# KiCad board SparkFun_Qwiic_WAV_Trigger_Pro_panelized.kicad_pcb (continued)
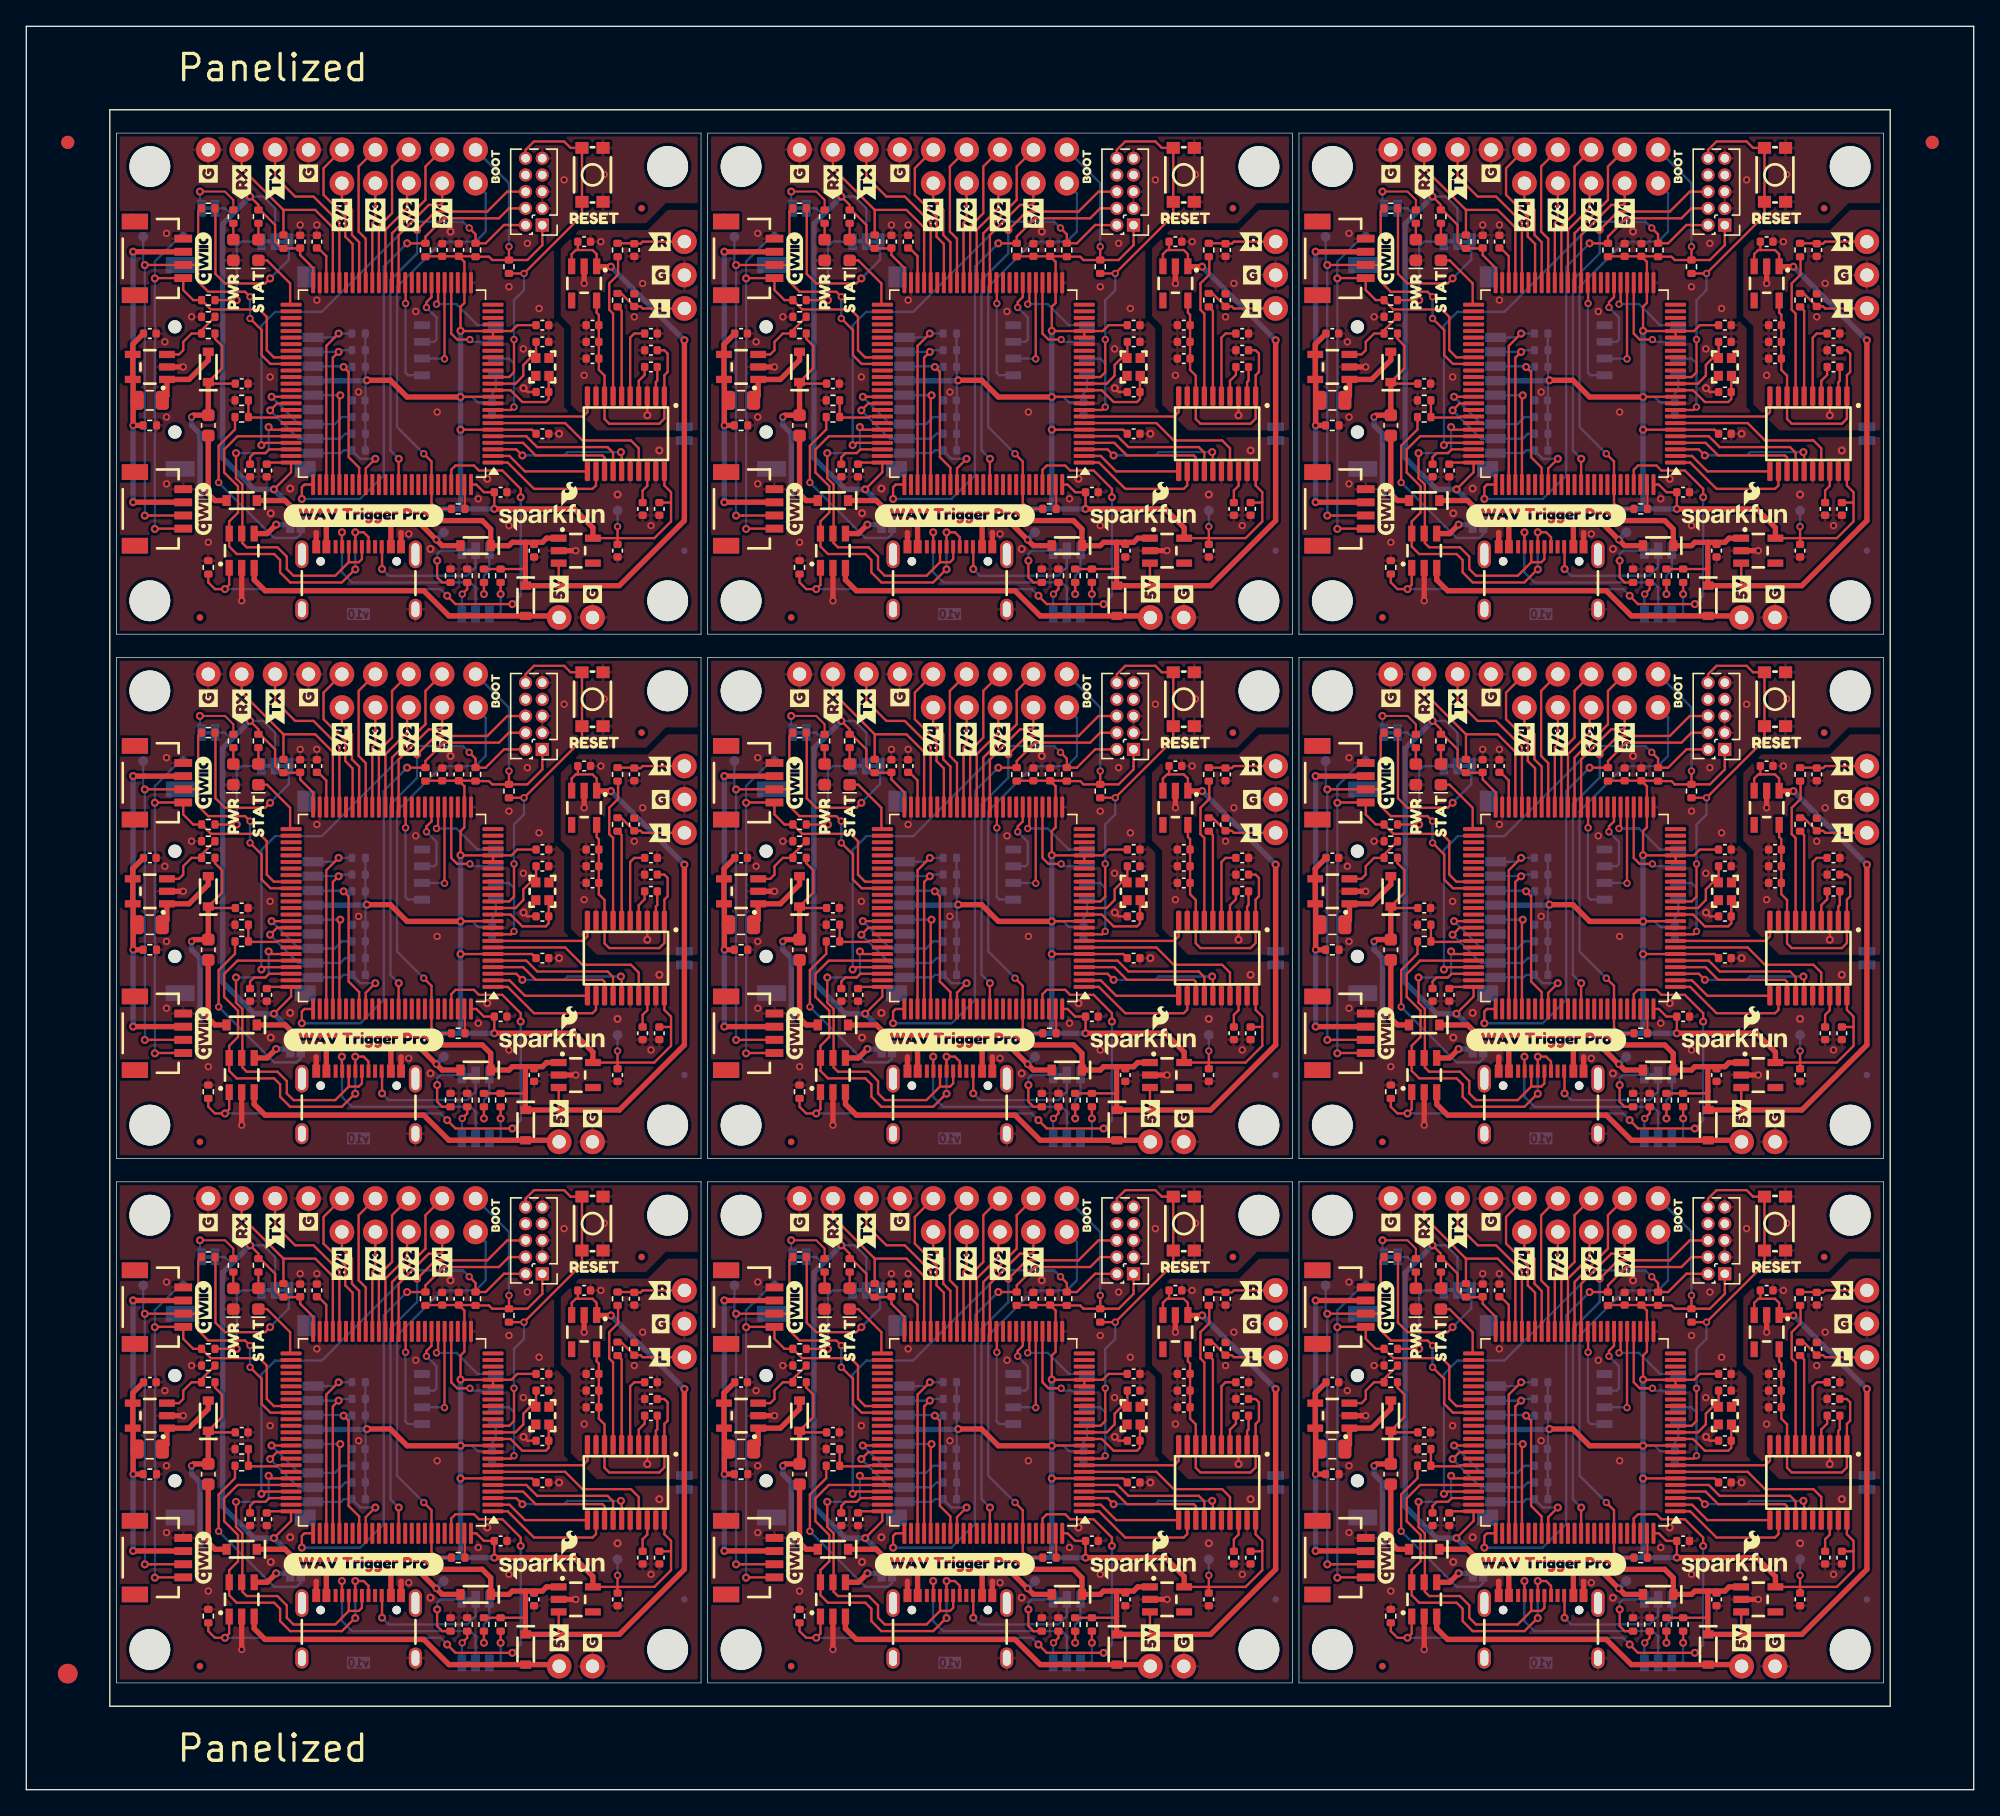
[diagram p0: board, top side]
## Routing (per net, layer and track width the routed paths; a pad name or vN(x,y) marks a point on that pad's centre or on a via; arc(x,y) is an arc through that point) (continued)
/CPU/MEM_CS: length 73.8
  Top w0.178: v2(28.83,113.01) 28.83,114.56 U3#4.36 ; U3#5.36 73.78,74.69 v2(73.78,73.14) ; v2(118.73,33.27) 118.73,34.82 118.7,34.84 ; 73.76,34.84 73.78,34.82 v2(73.78,33.27) ; U3.36 118.73,114.56 v2(118.73,113.01) ; v2(28.83,73.14) 28.83,74.69 U3#3.36 ; v2(28.83,33.27) 28.83,34.82 28.8,34.84 ; v2(118.73,73.14) 118.73,74.69 U3#7.36 ; v2(73.78,113.01) 73.78,114.56 U3#6.36
  Bottom w0.178: U7#4.1 29.02,107.54 28.82,107.75 28.82,112.99 v2(28.83,113.01) ; v2(118.73,113.01) 118.72,112.99 118.72,107.75 118.92,107.54 U7#6.1 ; U7#8.1 118.92,67.67 118.72,67.88 118.72,73.12 v2(118.73,73.14) ; U7#7.1 118.92,27.8 118.72,28.01 118.72,33.25 v2(118.73,33.27) ; U7.1 29.02,67.67 28.82,67.88 28.82,73.12 v2(28.83,73.14) ; U7#5.1 73.97,67.67 73.77,67.88 73.77,73.12 v2(73.78,73.14) ; v2(73.78,113.01) 73.77,112.99 73.77,107.75 73.97,107.54 U7#3.1 ; U7#9.1 29.02,27.8 28.82,28.01 28.82,33.25 v2(28.83,33.27) ; U7#2.1 73.97,27.8 73.77,28.01 73.77,33.25 v2(73.78,33.27)
/CPU/MEM_DI: length 61.6
  Top w0.178: U3#6.31 76.26,113.08 v2(76.13,112.96) ; U3.31 121.2,113.08 v2(121.08,112.96) ; U3#7.31 121.2,73.21 v2(121.08,73.09) ; v2(31.18,73.09) 31.3,73.21 U3#3.31 ; 31.3,34.84 31.3,33.34 v2(31.18,33.22) ; v2(76.13,73.09) 76.26,73.21 U3#5.31 ; v2(76.13,33.22) 76.26,33.34 76.26,34.84 ; 121.2,34.84 121.2,33.34 v2(121.08,33.22) ; v2(31.18,112.96) 31.3,113.08 U3#4.31
  Bottom w0.178: v2(31.18,73.09) 32.71,73.09 34.31,71.48 U7.5 ; 80.64,111.35 79.26,111.35 77.66,112.96 v2(76.13,112.96) ; v2(31.18,33.22) 32.71,33.22 34.31,31.61 U7#9.5 ; U7#2.5 79.26,31.61 77.66,33.22 v2(76.13,33.22) ; v2(31.18,112.96) 32.71,112.96 34.31,111.35 35.68,111.35 ; v2(121.08,73.09) 122.61,73.09 124.21,71.48 U7#8.5 ; v2(121.08,112.96) 122.61,112.96 124.21,111.35 125.58,111.35 ; U7#5.5 79.26,71.48 77.66,73.09 v2(76.13,73.09) ; v2(121.08,33.22) 122.61,33.22 124.21,31.61 U7#7.5
/CPU/MEM_DO: length 67.7
  Top w0.178: v2(76.74,68.92) 76.74,74.7 U3#5.30 ; U3#3.30 31.79,74.7 v2(31.79,68.92) ; v2(121.69,108.79) 121.69,114.57 U3.30 ; U3#4.30 31.79,114.57 v2(31.79,108.79) ; U3#6.30 76.74,114.57 v2(76.74,108.79) ; 76.76,34.84 76.74,34.83 v2(76.74,29.05) ; v2(31.79,29.05) 31.79,34.83 31.8,34.84 ; 121.7,34.84 121.69,34.83 v2(121.69,29.05) ; v2(121.69,68.92) 121.69,74.7 U3#7.30
  Bottom w0.178: v2(121.69,29.05) 121.67,29.07 U7#7.2 ; v2(121.69,108.79) 121.67,108.81 U7#6.2 ; U7#5.2 76.72,68.94 v2(76.74,68.92) ; v2(121.69,68.92) 121.67,68.94 U7#8.2 ; v2(31.79,68.92) 31.77,68.94 U7.2 ; v2(76.74,29.05) 76.72,29.07 U7#2.2 ; v2(76.74,108.79) 76.72,108.81 U7#3.2 ; U7#9.2 31.77,29.07 v2(31.79,29.05) ; U7#4.2 31.77,108.81 v2(31.79,108.79)
/CPU/MEM_HO: length 58.8
  Top w0.178: U3#7.9 126.75,65.04 v2(126.98,65.26) ; U3.9 126.75,104.91 v2(126.98,105.13) ; v2(37.08,25.39) 36.85,25.17 U3#9.9 ; U3#6.9 81.8,104.91 v2(82.03,105.13) ; v2(37.08,105.13) 36.85,104.91 U3#4.9 ; U3#5.9 81.8,65.04 v2(82.03,65.26) ; v2(126.98,25.39) 126.75,25.17 U3#8.9 ; U3#2.9 81.8,25.17 v2(82.03,25.39) ; v2(37.08,65.26) 36.85,65.04 U3#3.9
  Bottom w0.178: v2(82.03,65.26) 82.03,68.56 81.64,68.94 U7#5.7 ; v2(82.03,25.39) 82.03,28.69 81.64,29.07 U7#2.7 ; U7#6.7 126.6,108.81 126.98,108.43 v2(126.98,105.13) ; v2(37.08,25.39) 37.08,28.69 36.7,29.07 U7#9.7 ; U7#7.7 126.6,29.07 126.98,28.69 v2(126.98,25.39) ; U7#4.7 36.7,108.81 37.08,108.43 v2(37.08,105.13) ; v2(126.98,65.26) 126.98,68.56 126.6,68.94 U7#8.7 ; v2(37.08,65.26) 37.08,68.56 36.7,68.94 U7.7 ; v2(82.03,105.13) 82.03,108.43 81.64,108.81 U7#3.7
/CPU/MEM_WP: length 54
  Top w0.178: 75.78,34.82 75.76,34.84 75.76,33.75 75.37,33.37 v2(75.37,32.96) ; 30.83,114.56 U3#4.32 30.8,113.49 30.42,113.11 v2(30.42,112.7) ; 120.73,74.69 U3#7.32 120.7,73.62 120.32,73.24 v2(120.32,72.83) ; v2(30.42,32.96) 30.42,33.37 30.8,33.75 30.8,34.84 30.83,34.82 ; 75.78,74.69 U3#5.32 75.76,73.62 75.37,73.24 v2(75.37,72.83) ; 120.73,34.82 120.7,34.84 120.7,33.75 120.32,33.37 v2(120.32,32.96) ; 120.73,114.56 U3.32 120.7,113.49 120.32,113.11 v2(120.32,112.7) ; 75.78,114.56 U3#6.32 75.76,113.49 75.37,113.11 v2(75.37,112.7) ; v2(30.42,72.83) 30.42,73.24 30.8,73.62 U3#3.32 30.83,74.69
  Bottom w0.178: v2(120.32,72.83) 121.08,72.07 121.08,70.39 120.91,70.22 U7#8.3 ; U7#2.3 75.96,30.34 76.13,30.52 76.13,32.2 v2(75.37,32.96) ; v2(75.37,112.7) 76.13,111.94 76.13,110.26 75.96,110.08 U7#3.3 ; U7#5.3 75.96,70.22 76.13,70.39 76.13,72.07 v2(75.37,72.83) ; v2(120.32,112.7) 121.08,111.94 121.08,110.26 120.91,110.08 U7#6.3 ; v2(30.42,112.7) 31.18,111.94 31.18,110.26 31.01,110.08 U7#4.3 ; U7#9.3 31.01,30.34 31.18,30.52 31.18,32.2 v2(30.42,32.96) ; v2(120.32,32.96) 121.08,32.2 121.08,30.52 120.91,30.34 U7#7.3 ; U7.3 31.01,70.22 31.18,70.39 31.18,72.07 v2(30.42,72.83)
/CPU/RX: length 146.6
  Top w0.178: U3#6.47 68.26,118.78 66.91,120.12 64.5,120.12 ; 68.26,34.84 68.26,39.04 66.91,40.38 64.5,40.38 ; 19.55,40.38 16.38,43.55 J6#9.7 ; 19.55,40.38 R17#9.2 ; 19.55,40.38 21.96,40.38 23.3,39.04 23.3,34.84 ; 113.2,34.84 113.2,39.04 111.86,40.38 109.45,40.38 ; 109.45,80.25 111.86,80.25 113.2,78.91 U3#7.47 ; 109.45,80.25 106.27,83.42 J6#6.7 ; 109.45,80.25 R17#2.2 ; 64.5,120.12 R17#4.2 ; 64.5,120.12 61.33,123.29 J6#5.7 ; 109.45,40.38 106.27,43.55 J6#8.7 ; 109.45,40.38 R17#5.2 ; U3.47 113.2,118.78 111.86,120.12 109.45,120.12 ; J6#7.7 106.27,123.29 109.45,120.12 ; 19.55,80.25 16.38,83.42 J6.7 ; 19.55,80.25 R17#3.2 ; 19.55,80.25 21.96,80.25 23.3,78.91 U3#3.47 ; 64.5,40.38 61.33,43.55 J6#3.7 ; 64.5,40.38 R17#6.2 ; 109.45,120.12 R17#8.2 ; U3#5.47 68.26,78.91 66.91,80.25 64.5,80.25 ; J6#2.7 16.38,123.29 19.55,120.12 ; 19.55,120.12 R17.2 ; 19.55,120.12 21.96,120.12 23.3,118.78 U3#4.47 ; 64.5,80.25 61.33,83.42 J6#4.7 ; 64.5,80.25 R17#7.2
/CPU/SD_CD: length 66.1
  Top w0.178: v1(26.54,101.19) 25.8,100.47 U3#4.84 ; v1(71.48,101.19) 70.76,100.47 U3#6.84 ; U3#2.84 70.76,20.72 v1(71.48,21.45) ; v1(71.48,61.32) 70.76,60.59 U3#5.84 ; v1(26.54,21.45) 25.8,20.72 U3#9.84 ; v1(116.43,101.19) 115.7,100.47 U3.84 ; U3#3.84 25.8,60.59 v1(26.54,61.32) ; U3#7.84 115.7,60.59 v1(116.43,61.32) ; v1(116.43,21.45) 115.7,20.72 U3#8.84
  Bottom w0.178: J5#2.9 23.92,101.63 24.12,101.83 R16#5.2 25.39,101.19 v1(26.54,101.19) ; J5#6.9 68.87,101.63 69.07,101.83 R16#3.2 70.34,101.19 v1(71.48,101.19) ; J5.9 23.92,61.76 24.12,61.96 R16#4.2 25.39,61.32 v1(26.54,61.32) ; J5#5.9 113.82,21.89 114.02,22.09 R16.2 115.29,21.45 v1(116.43,21.45) ; v1(26.54,21.45) 25.39,21.45 R16#9.2 24.12,22.09 23.92,21.89 J5#9.9 ; J5#3.9 68.87,21.89 69.07,22.09 R16#2.2 70.34,21.45 v1(71.48,21.45) ; v1(116.43,61.32) 115.29,61.32 R16#7.2 114.02,61.96 113.82,61.76 J5#7.9 ; v1(116.43,101.19) 115.29,101.19 R16#8.2 114.02,101.83 113.82,101.63 J5#4.9 ; v1(71.48,61.32) 70.34,61.32 R16#6.2 69.07,61.96 68.87,61.76 J5#8.9
/CPU/SD_CLK: length 80
  Top w0.178: v1(113.77,66.15) 113.7,66.09 U3#7.80 ; v1(68.82,66.15) 68.76,66.09 U3#5.80 ; U3.80 113.7,105.96 v1(113.77,106.02) ; v1(68.82,26.28) 68.76,26.22 U3#2.80 ; v1(68.82,106.02) 68.76,105.96 U3#6.80 ; U3#4.80 23.8,105.96 v1(23.87,106.02) ; v1(113.77,26.28) 113.7,26.22 U3#8.80 ; v1(23.87,26.28) 23.8,26.22 U3#9.80 ; v1(23.87,66.15) 23.8,66.09 U3#3.80
  Bottom w0.178: v1(68.82,66.15) 68.81,66.16 J5#8.5 ; v1(113.77,26.28) 113.76,26.29 J5#5.5 ; v1(23.87,106.02) 23.86,106.03 J5#2.5 ; v1(23.87,26.28) 23.86,26.29 J5#9.5 ; v1(113.77,66.15) 113.76,66.16 J5#7.5 ; v1(68.82,26.28) 68.81,26.29 J5#3.5 ; v1(113.77,106.02) 113.76,106.03 J5#4.5 ; J5.5 23.86,66.16 v1(23.87,66.15) ; J5#6.5 68.81,106.03 v1(68.82,106.02)
/CPU/SD_CMD: length 111.7
  Top w0.178: U3#4.83 25.3,100.52 24.5,101.32 24.5,107.8 v1(24.12,108.18) ; v1(114.02,28.44) 114.4,28.06 114.4,21.58 115.2,20.78 U3#8.83 ; v1(69.07,28.44) 69.45,28.06 69.45,21.58 70.26,20.78 U3#2.83 ; U3#3.83 25.3,60.65 24.5,61.45 24.5,67.93 v1(24.12,68.31) ; U3#7.83 115.2,60.65 114.4,61.45 114.4,67.93 v1(114.02,68.31) ; U3#5.83 70.26,60.65 69.45,61.45 69.45,67.93 v1(69.07,68.31) ; U3#6.83 70.26,100.52 69.45,101.32 69.45,107.8 v1(69.07,108.18) ; v1(24.12,28.44) 24.5,28.06 24.5,21.58 25.3,20.78 U3#9.83 ; v1(114.02,108.18) 114.4,107.8 114.4,101.32 115.2,100.52 U3.83
  Bottom w0.178: J5#4.3 113.97,108.23 v1(114.02,108.18) R9#7.2 ; R9.2 v1(24.12,68.31) 24.07,68.36 J5.3 ; R9#2.2 v1(69.07,28.44) 69.02,28.49 J5#3.3 ; J5#8.3 69.02,68.36 v1(69.07,68.31) R9#4.2 ; J5#2.3 24.07,108.23 v1(24.12,108.18) R9#3.2 ; J5#6.3 69.02,108.23 v1(69.07,108.18) R9#5.2 ; R9#9.2 v1(24.12,28.44) 24.07,28.49 J5#9.3 ; J5#7.3 113.97,68.36 v1(114.02,68.31) R9#8.2 ; R9#6.2 v1(114.02,28.44) 113.97,28.49 J5#5.3
/CPU/SD_D0: length 78.1
  Top w0.178: v1(18.64,105.91) 20.13,105.91 ; v1(63.6,26.17) U3#2.65 ; v1(18.64,66.04) 20.13,66.04 ; v1(108.55,26.17) 110.03,26.17 ; v1(108.55,66.04) 110.03,66.04 ; v1(18.64,26.17) 20.13,26.17 ; v1(108.55,105.91) 110.03,105.91 ; v1(63.6,66.04) U3#5.65 ; v1(63.6,105.91) U3#6.65
  Bottom w0.178: v1(63.6,66.04) 65.67,63.96 J5#8.7 68.41,63.96 68.95,64.5 R10#7.2 ; v1(18.64,26.17) 20.73,24.09 J5#9.7 23.45,24.09 23.99,24.63 R10#9.2 ; v1(18.64,66.04) 20.73,63.96 J5.7 23.45,63.96 23.99,64.5 R10.2 ; R10#2.2 68.95,104.37 68.41,103.83 J5#6.7 65.67,103.83 v1(63.6,105.91) ; v1(63.6,26.17) 65.67,24.09 J5#3.7 68.41,24.09 68.95,24.63 R10#8.2 ; v1(108.55,66.04) 110.63,63.96 J5#7.7 113.36,63.96 113.89,64.5 R10#5.2 ; R10#4.2 113.89,104.37 113.36,103.83 J5#4.7 110.63,103.83 v1(108.55,105.91) ; R10#3.2 113.89,24.63 113.36,24.09 J5#5.7 110.63,24.09 v1(108.55,26.17) ; R10#6.2 23.99,104.37 23.45,103.83 J5#2.7 20.73,103.83 v1(18.64,105.91)
/CPU/SD_D1: length 81.7
  Top w0.178: v1(108.43,25.14) 108.97,25.67 110.03,25.67 ; 110.03,65.54 108.97,65.54 v1(108.43,65.01) ; U3#5.66 64.02,65.54 v1(63.48,65.01) ; U3#2.66 64.02,25.67 v1(63.48,25.14) ; v1(18.53,25.14) 19.07,25.67 20.13,25.67 ; v1(108.43,104.88) 108.97,105.41 110.03,105.41 ; v1(63.48,104.88) 64.02,105.41 U3#6.66 ; v1(18.53,65.01) 19.07,65.54 20.13,65.54 ; v1(18.53,104.88) 19.07,105.41 20.13,105.41
  Bottom w0.178: v1(108.43,25.14) 110.58,22.99 J5#5.8 113.78,22.99 114.15,23.36 R12#5.2 ; v1(63.48,65.01) 65.63,62.86 J5#8.8 68.83,62.86 69.2,63.23 R12#6.2 ; R12#8.2 24.25,63.23 23.88,62.86 J5.8 20.68,62.86 v1(18.53,65.01) ; R12#9.2 24.25,23.36 23.88,22.99 J5#9.8 20.68,22.99 v1(18.53,25.14) ; v1(63.48,104.88) 65.63,102.73 J5#6.8 68.83,102.73 69.2,103.1 R12#4.2 ; v1(108.43,65.01) 110.58,62.86 J5#7.8 113.78,62.86 114.15,63.23 R12#7.2 ; v1(63.48,25.14) 65.63,22.99 J5#3.8 68.83,22.99 69.2,23.36 R12#3.2 ; v1(18.53,104.88) 20.68,102.73 J5#2.8 23.88,102.73 24.25,103.1 R12#2.2 ; R12.2 114.15,103.1 113.78,102.73 J5#4.8 110.58,102.73 v1(108.43,104.88)
/CPU/SD_D2: length 134.6
  Top w0.178: v1(113.64,70.85) 112.7,69.91 U3#7.78 ; U3#4.78 22.8,109.78 v1(23.74,110.72) ; v1(68.69,110.72) 67.76,109.78 U3#6.78 ; v1(23.74,30.98) 22.8,30.04 U3#9.78 ; v1(23.74,70.85) 22.8,69.91 U3#3.78 ; U3.78 112.7,109.78 v1(113.64,110.72) ; v1(113.64,30.98) 112.7,30.04 U3#8.78 ; U3#2.78 67.76,30.04 v1(68.69,30.98) ; U3#5.78 67.76,69.91 v1(68.69,70.85)
  Bottom w0.178: R13#8.2 v1(113.64,70.85) 113.35,70.56 J5#7.1 ; R13#7.2 v1(113.64,110.72) 113.35,110.43 J5#4.1 ; R13#5.2 v1(68.69,30.98) 68.4,30.69 J5#3.1 ; J5#9.1 23.45,30.69 v1(23.74,30.98) R13#9.2 ; J5#2.1 23.45,110.43 v1(23.74,110.72) R13#2.2 ; R13#4.2 v1(113.64,30.98) 113.35,30.69 J5#5.1 ; R13#6.2 v1(68.69,70.85) 68.4,70.56 J5#8.1 ; J5#6.1 68.4,110.43 v1(68.69,110.72) R13.2 ; R13#3.2 v1(23.74,70.85) 23.45,70.56 J5.1
/CPU/SD_D3: length 119.6
  Top w0.178: U3#6.79 68.26,108.89 v1(68.69,109.32) ; v1(23.74,109.32) 23.3,108.89 U3#4.79 ; v1(113.64,29.58) 113.2,29.15 U3#8.79 ; v1(23.74,69.45) 23.3,69.02 U3#3.79 ; U3#9.79 23.3,29.15 v1(23.74,29.58) ; v1(113.64,69.45) 113.2,69.02 U3#7.79 ; U3#2.79 68.26,29.15 v1(68.69,29.58) ; U3#5.79 68.26,69.02 v1(68.69,69.45) ; v1(113.64,109.32) 113.2,108.89 U3.79
  Bottom w0.178: R14#9.2 23.87,29.71 v1(23.74,29.58) 23.73,29.59 J5#9.2 ; J5#8.2 68.68,69.46 v1(68.69,69.45) 68.82,69.58 R14#6.2 ; J5#4.2 113.63,109.33 v1(113.64,109.32) 113.77,109.45 R14#5.2 ; R14#2.2 23.87,109.45 v1(23.74,109.32) 23.73,109.33 J5#2.2 ; J5.2 23.73,69.46 v1(23.74,69.45) 23.87,69.58 R14.2 ; R14#8.2 113.77,29.71 v1(113.64,29.58) 113.63,29.59 J5#5.2 ; J5#3.2 68.68,29.59 v1(68.69,29.58) 68.82,29.71 R14#3.2 ; R14#7.2 68.82,109.45 v1(68.69,109.32) 68.68,109.33 J5#6.2 ; R14#4.2 113.77,69.58 v1(113.64,69.45) 113.63,69.46 J5#7.2
/CPU/SWCLK: length 338.3
  Top w0.178: v1(65.9,18.41) 65.9,19.3 66.1,19.49 U3#2.76 ; v1(110.85,18.41) 110.85,19.3 111.05,19.49 U3#8.76 ; J7#6.4 81.66,120.23 81.64,120.24 80.88,119.48 76.69,119.48 75.3,118.09 R18#2.2 75.29,117.58 v1(73.9,117.58) ; U3#3.76 21.15,59.36 20.95,59.17 v1(20.95,58.28) ; v1(118.85,77.71) 120.24,77.71 R18#4.2 120.24,78.22 121.64,79.61 125.83,79.61 126.6,80.38 126.61,80.36 J7#4.4 ; U3#6.76 66.1,99.23 65.9,99.04 v1(65.9,98.15) ; U3#5.76 66.1,59.36 65.9,59.17 v1(65.9,58.28) ; J7#5.4 36.7,120.23 36.7,120.24 35.93,119.48 31.74,119.48 30.35,118.09 R18#8.2 30.34,117.58 v1(28.95,117.58) ; U3#7.76 111.05,59.36 110.85,59.17 v1(110.85,58.28) ; v1(20.95,98.15) 20.95,99.04 21.15,99.23 U3#4.76 ; J7#8.4 126.61,120.23 126.6,120.24 125.83,119.48 121.64,119.48 120.24,118.09 R18#7.2 120.24,117.58 v1(118.85,117.58) ; J7.4 36.7,80.36 36.7,80.38 35.93,79.61 31.74,79.61 30.35,78.22 R18#5.2 30.34,77.71 v1(28.95,77.71) ; J7#3.4 81.66,40.49 81.64,40.5 80.88,39.74 76.69,39.74 75.3,38.35 R18#6.2 75.29,37.84 v1(73.9,37.84) ; J7#9.4 36.7,40.49 36.7,40.5 35.93,39.74 31.74,39.74 30.35,38.35 R18#9.2 30.34,37.84 v1(28.95,37.84) ; J7#7.4 81.66,80.36 81.64,80.38 80.88,79.61 76.69,79.61 75.3,78.22 R18.2 75.29,77.71 v1(73.9,77.71) ; v1(118.85,37.84) 120.24,37.84 R18#3.2 120.24,38.35 121.64,39.74 125.83,39.74 126.6,40.5 126.61,40.49 J7#2.4 ; v1(110.85,98.15) 110.85,99.04 111.05,99.23 U3.76 ; U3#9.76 21.15,19.49 20.95,19.3 v1(20.95,18.41)
  Bottom w0.178: v1(118.85,37.84) 117.07,36.06 117.07,20.18 115.29,18.41 v1(110.85,18.41) ; v1(118.85,117.58) 117.07,115.8 117.07,99.92 115.29,98.15 v1(110.85,98.15) ; v1(28.95,37.84) 27.17,36.06 27.17,20.18 25.39,18.41 v1(20.95,18.41) ; v1(28.95,117.58) 27.17,115.8 27.17,99.92 25.39,98.15 v1(20.95,98.15) ; v1(20.95,58.28) 25.39,58.28 27.17,60.05 27.17,75.93 v1(28.95,77.71) ; v1(73.9,37.84) 72.12,36.06 72.12,20.18 70.34,18.41 v1(65.9,18.41) ; v1(73.9,117.58) 72.12,115.8 72.12,99.92 70.34,98.15 v1(65.9,98.15) ; v1(118.85,77.71) 117.07,75.93 117.07,60.05 115.29,58.28 v1(110.85,58.28) ; v1(73.9,77.71) 72.12,75.93 72.12,60.05 70.34,58.28 v1(65.9,58.28)
/CPU/SWDIO: length 327.7
  Top w0.178: v1(62.82,22.5) 63.14,22.67 U3#2.72 ; J7#3.2 81.66,39.22 81.64,39.23 81.26,39.23 79.87,37.84 R20#4.2 79.11,38.52 v2(78.62,39.01) ; 110.03,62.54 108.09,62.54 v1(107.77,62.37) ; 110.03,22.67 108.09,22.67 v1(107.77,22.5) ; J7#4.2 126.61,79.09 126.6,79.1 126.21,79.1 124.82,77.71 R20#7.2 124.05,78.39 v2(123.57,78.88) ; 20.13,62.54 18.19,62.54 v1(17.87,62.37) ; 20.13,102.41 18.19,102.41 v1(17.87,102.24) ; J7#8.2 126.61,118.96 126.6,118.97 126.21,118.97 124.82,117.58 R20#8.2 124.05,118.26 v2(123.57,118.75) ; v2(33.67,118.75) 34.16,118.26 R20#3.2 34.92,117.58 36.31,118.97 36.7,118.97 36.7,118.96 J7#5.2 ; J7#9.2 36.7,39.22 36.7,39.23 36.31,39.23 34.92,37.84 R20#9.2 34.16,38.52 v2(33.67,39.01) ; U3#5.72 63.14,62.54 v1(62.82,62.37) ; J7#7.2 81.66,79.09 81.64,79.1 81.26,79.1 79.87,77.71 R20#5.2 79.11,78.39 v2(78.62,78.88) ; v1(17.87,22.5) 18.19,22.67 20.13,22.67 ; v2(123.57,39.01) 124.05,38.52 R20#6.2 124.82,37.84 126.21,39.23 126.6,39.23 126.61,39.22 J7#2.2 ; J7.2 36.7,79.09 36.7,79.1 36.31,79.1 34.92,77.71 R20#2.2 34.16,78.39 v2(33.67,78.88) ; v2(78.62,118.75) 79.11,118.26 R20.2 79.87,117.58 81.26,118.97 81.64,118.97 81.66,118.96 J7#6.2 ; 110.03,102.41 108.09,102.41 v1(107.77,102.24) ; v1(62.82,102.24) 63.14,102.41 U3#6.72
  Bottom w0.178: v2(78.62,39.01) 78.14,39.49 74.28,39.49 67.42,32.63 63.86,32.63 62.82,31.59 v1(62.82,22.5) ; v2(33.67,118.75) 33.19,119.23 29.33,119.23 22.47,112.37 18.92,112.37 17.87,111.33 v1(17.87,102.24) ; v1(17.87,22.5) 17.87,31.59 18.92,32.63 22.47,32.63 29.33,39.49 33.19,39.49 v2(33.67,39.01) ; v1(107.77,22.5) 107.77,31.59 108.82,32.63 112.37,32.63 119.23,39.49 123.09,39.49 v2(123.57,39.01) ; v2(33.67,78.88) 33.19,79.36 29.33,79.36 22.47,72.5 18.92,72.5 17.87,71.46 v1(17.87,62.37) ; v1(62.82,102.24) 62.82,111.33 63.86,112.37 67.42,112.37 74.28,119.23 78.14,119.23 v2(78.62,118.75) ; v1(107.77,62.37) 107.77,71.46 108.82,72.5 112.37,72.5 119.23,79.36 123.09,79.36 v2(123.57,78.88) ; v1(107.77,102.24) 107.77,111.33 108.82,112.37 112.37,112.37 119.23,119.23 123.09,119.23 v2(123.57,118.75) ; v2(78.62,78.88) 78.14,79.36 74.28,79.36 67.42,72.5 63.86,72.5 62.82,71.46 v1(62.82,62.37)
/CPU/SWO: length 269.3
  Top w0.152: 73.26,101.06 73.26,101.07 v1(73.26,101.19) ; v1(28.31,21.45) 28.31,21.33 28.3,21.32 ; v1(73.26,21.45) 73.26,21.33 73.26,21.32 ; 28.3,101.06 28.31,101.07 v1(28.31,101.19) ; v1(118.21,101.19) 118.21,101.07 118.2,101.06 ; v1(73.26,61.32) 73.26,61.2 73.26,61.19 ; 118.2,21.32 118.21,21.33 v1(118.21,21.45) ; v1(28.31,61.32) 28.31,61.2 28.3,61.19 ; 118.2,61.19 118.21,61.2 v1(118.21,61.32)
  Top w0.178: J7#3.6 81.51,41.77 79.99,40.25 76.06,40.25 v1(74.66,38.85) ; J7#9.6 36.56,41.77 35.04,40.25 31.11,40.25 v1(29.71,38.85) ; 28.3,101.06 U3#4.89 ; 118.2,61.19 U3#7.89 ; 73.26,61.19 U3#5.89 ; J7.6 36.56,81.63 35.04,80.12 31.11,80.12 v1(29.71,78.72) ; 118.2,21.32 U3#8.89 ; v1(119.61,38.85) 121.01,40.25 124.94,40.25 126.46,41.77 J7#2.6 ; v1(119.61,118.59) 121.01,119.99 124.94,119.99 126.46,121.5 J7#8.6 ; J7#4.6 126.46,81.63 124.94,80.12 121.01,80.12 v1(119.61,78.72) ; 118.2,101.06 U3.89 ; J7#6.6 81.51,121.5 79.99,119.99 76.06,119.99 v1(74.66,118.59) ; 28.3,61.19 U3#3.89 ; 73.26,21.32 U3#2.89 ; v1(29.71,118.59) 31.11,119.99 35.04,119.99 36.56,121.5 J7#5.6 ; J7#7.6 81.51,81.63 79.99,80.12 76.06,80.12 v1(74.66,78.72) ; 28.3,21.32 U3#9.89 ; 73.26,101.06 U3#6.89
  Bottom w0.178: v1(74.66,38.85) 74.66,37.08 72.63,35.04 72.63,22.09 v1(73.26,21.45) ; v1(28.31,101.19) 27.68,101.83 27.68,114.78 29.71,116.82 v1(29.71,118.59) ; v1(74.66,118.59) 74.66,116.82 72.63,114.78 72.63,101.83 v1(73.26,101.19) ; v1(28.31,21.45) 27.68,22.09 27.68,35.04 29.71,37.08 v1(29.71,38.85) ; v1(119.61,78.72) 119.61,76.95 117.58,74.91 117.58,61.96 v1(118.21,61.32) ; v1(29.71,78.72) 29.71,76.95 27.68,74.91 27.68,61.96 v1(28.31,61.32) ; v1(119.61,38.85) 119.61,37.08 117.58,35.04 117.58,22.09 v1(118.21,21.45) ; v1(74.66,78.72) 74.66,76.95 72.63,74.91 72.63,61.96 v1(73.26,61.32) ; v1(119.61,118.59) 119.61,116.82 117.58,114.78 117.58,101.83 v1(118.21,101.19)
/CPU/TX: length 116.5
  Top w0.178: J6#9.6 18.92,42.92 20.44,41.39 21.84,41.39 23.8,39.42 23.8,34.84 ; J6#3.6 63.86,42.92 65.39,41.39 66.79,41.39 68.76,39.42 68.76,34.84 ; J6#4.6 63.86,82.79 65.39,81.26 66.79,81.26 68.76,79.29 U3#5.46 ; J6.6 18.92,82.79 20.44,81.26 21.84,81.26 23.8,79.29 U3#3.46 ; J6#6.6 108.82,82.79 110.34,81.26 111.74,81.26 113.7,79.29 U3#7.46 ; U3#6.46 68.76,119.16 66.79,121.13 65.39,121.13 63.86,122.66 J6#5.6 ; U3#4.46 23.8,119.16 21.84,121.13 20.44,121.13 18.92,122.66 J6#2.6 ; 113.7,34.84 113.7,39.42 111.74,41.39 110.34,41.39 108.82,42.92 J6#8.6 ; J6#7.6 108.82,122.66 110.34,121.13 111.74,121.13 113.7,119.16 U3.46
/CPU/USB_FS_DM: length 238
  Top w0.178: 69.46,93.33 68.44,92.3 65.26,92.3 64.75,92.81 64.75,93.75 64.04,94.46 61.71,94.46 61.38,94.79 61.38,99.24 60.89,99.72 v1(60.89,101.63) ; 69.46,93.33 69.46,94.5 ; 69.46,93.33 70.23,93.33 70.46,93.57 70.46,94.5 ; 24.52,93.33 24.52,94.5 ; 24.52,93.33 25.28,93.33 25.52,93.57 25.52,94.5 ; 24.52,93.33 23.49,92.3 20.31,92.3 19.8,92.81 19.8,93.75 19.09,94.46 16.76,94.46 16.42,94.79 16.42,99.24 15.94,99.72 v1(15.94,101.63) ; J2#7.A7 115.42,53.7 115.18,53.46 114.42,53.46 ; 69.46,53.46 J2#8.B7 ; 69.46,53.46 68.44,52.43 65.26,52.43 64.75,52.94 64.75,53.88 64.04,54.59 61.71,54.59 61.38,54.92 61.38,59.37 60.89,59.85 v1(60.89,61.76) ; 69.46,53.46 70.23,53.46 70.46,53.7 J2#8.A7 ; 65.07,103.4 U3#6.70 63.57,103.41 v1(63.37,103.61) ; 24.52,53.46 23.49,52.43 20.31,52.43 19.8,52.94 19.8,53.88 19.09,54.59 16.76,54.59 16.42,54.92 16.42,59.37 15.94,59.85 v1(15.94,61.76) ; 24.52,53.46 25.28,53.46 25.52,53.7 J2.A7 ; 24.52,53.46 J2.B7 ; 24.52,13.59 24.52,14.77 ; 24.52,13.59 23.49,12.56 20.31,12.56 19.8,13.07 19.8,14.01 19.09,14.72 16.76,14.72 16.42,15.05 16.42,19.5 15.94,19.98 v1(15.94,21.89) ; 24.52,13.59 25.28,13.59 25.52,13.83 25.52,14.77 ; v1(108.32,63.74) 108.52,63.54 110.03,63.54 110.02,63.53 ; 114.42,53.46 113.39,52.43 110.21,52.43 109.7,52.94 109.7,53.88 108.99,54.59 106.66,54.59 106.33,54.92 106.33,59.37 105.84,59.85 v1(105.84,61.76) ; 114.42,53.46 J2#7.B7 ; 69.46,13.59 70.23,13.59 70.46,13.83 70.46,14.77 ; 69.46,13.59 68.44,12.56 65.26,12.56 64.75,13.07 64.75,14.01 64.04,14.72 61.71,14.72 61.38,15.05 61.38,19.5 60.89,19.98 v1(60.89,21.89) ; 69.46,13.59 69.46,14.77 ; 114.42,13.59 115.18,13.59 115.42,13.83 115.42,14.77 ; 114.42,13.59 114.42,14.77 ; 114.42,13.59 113.39,12.56 110.21,12.56 109.7,13.07 109.7,14.01 108.99,14.72 106.66,14.72 106.33,15.05 106.33,19.5 105.84,19.98 v1(105.84,21.89) ; 110.02,103.4 110.03,103.41 108.52,103.41 v1(108.32,103.61) ; 114.42,93.33 115.18,93.33 115.42,93.57 115.42,94.5 ; 114.42,93.33 114.42,94.5 ; 114.42,93.33 113.39,92.3 110.21,92.3 109.7,92.81 109.7,93.75 108.99,94.46 106.66,94.46 106.33,94.79 106.33,99.24 105.84,99.72 v1(105.84,101.63) ; 20.12,103.4 20.13,103.41 18.62,103.41 v1(18.42,103.61) ; v1(18.42,23.87) 18.62,23.67 20.13,23.67 20.12,23.66 ; 110.02,23.66 110.03,23.67 108.52,23.67 v1(108.32,23.87) ; v1(63.37,23.87) 63.57,23.67 U3#2.70 65.07,23.66 ; 65.07,63.53 U3#5.70 63.57,63.54 v1(63.37,63.74) ; v1(18.42,63.74) 18.62,63.54 20.13,63.54 20.12,63.53
  Bottom w0.178: v1(63.37,23.87) 63.37,22.13 63.13,21.89 v1(60.89,21.89) ; v1(15.94,61.76) 18.18,61.76 18.42,62 v1(18.42,63.74) ; v1(105.84,61.76) 108.08,61.76 108.32,62 v1(108.32,63.74) ; v1(105.84,101.63) 108.08,101.63 108.32,101.87 v1(108.32,103.61) ; v1(108.32,23.87) 108.32,22.13 108.08,21.89 v1(105.84,21.89) ; v1(60.89,61.76) 63.13,61.76 63.37,62 v1(63.37,63.74) ; v1(15.94,21.89) 18.18,21.89 18.42,22.13 v1(18.42,23.87) ; v1(18.42,103.61) 18.42,101.87 18.18,101.63 v1(15.94,101.63) ; v1(63.37,103.61) 63.37,101.87 63.13,101.63 v1(60.89,101.63)
/CPU/USB_FS_DP: length 279.7
  Top w0.178: v1(114.91,13.05) 114.88,13.05 113.89,12.06 109.96,12.06 109.2,12.82 109.2,13.76 108.74,14.22 105.89,14.22 105.33,14.78 U1#6.6 105.33,16.69 105.99,17.36 105.99,19.36 104.94,20.42 104.94,22.15 105.96,23.17 110.03,23.17 ; 20.13,63.04 16.06,63.04 15.04,62.02 15.04,60.29 16.09,59.23 16.09,57.23 15.42,56.56 U1.6 15.42,54.66 15.99,54.09 18.84,54.09 19.3,53.63 19.3,52.69 20.06,51.93 23.99,51.93 24.98,52.92 v1(25.01,52.92) ; 114.92,14.77 114.91,14.77 v1(114.91,15.87) 115.55,15.87 115.92,15.5 115.92,14.77 ; 26.02,94.5 26.02,95.24 25.65,95.61 v1(25.01,95.61) 25.01,94.51 25.02,94.5 ; J2#7.A6 114.91,54.64 v1(114.91,55.74) 115.55,55.74 115.92,55.37 J2#7.B6 ; U3#5.71 61.01,63.04 59.99,62.02 59.99,60.29 61.04,59.23 61.04,57.23 60.38,56.56 U1#4.6 60.38,54.66 60.94,54.09 63.79,54.09 64.25,53.63 64.25,52.69 65.01,51.93 68.95,51.93 69.93,52.92 v1(69.96,52.92) ; 114.92,94.5 114.91,94.51 v1(114.91,95.61) 115.55,95.61 115.92,95.24 115.92,94.5 ; v1(114.91,52.92) 114.88,52.92 113.89,51.93 109.96,51.93 109.2,52.69 109.2,53.63 108.74,54.09 105.89,54.09 105.33,54.66 U1#8.6 105.33,56.56 105.99,57.23 105.99,59.23 104.94,60.29 104.94,62.02 105.96,63.04 110.03,63.04 ; U3#2.71 61.01,23.17 59.99,22.15 59.99,20.42 61.04,19.36 61.04,17.36 60.38,16.69 U1#2.6 60.38,14.78 60.94,14.22 63.79,14.22 64.25,13.76 64.25,12.82 65.01,12.06 68.95,12.06 69.93,13.05 v1(69.96,13.05) ; J2.A6 25.01,54.64 v1(25.01,55.74) 25.65,55.74 26.02,55.37 J2.B6 ; v1(25.01,13.05) 24.98,13.05 23.99,12.06 20.06,12.06 19.3,12.82 19.3,13.76 18.84,14.22 15.99,14.22 15.42,14.78 U1#9.6 15.42,16.69 16.09,17.36 16.09,19.36 15.04,20.42 15.04,22.15 16.06,23.17 20.13,23.17 ; 26.02,14.77 26.02,15.5 25.65,15.87 v1(25.01,15.87) 25.01,14.77 25.02,14.77 ; 69.96,14.77 69.96,14.77 v1(69.96,15.87) 70.6,15.87 70.96,15.5 70.96,14.77 ; J2#8.A6 69.96,54.64 v1(69.96,55.74) 70.6,55.74 70.96,55.37 J2#8.B6 ; U3#6.71 61.01,102.91 59.99,101.89 59.99,100.16 61.04,99.1 61.04,97.1 60.38,96.44 U1#3.6 60.38,94.52 60.94,93.96 63.79,93.96 64.25,93.5 64.25,92.56 65.01,91.8 68.95,91.8 69.93,92.79 v1(69.96,92.79) ; v1(25.01,92.79) 24.98,92.79 23.99,91.8 20.06,91.8 19.3,92.56 19.3,93.5 18.84,93.96 15.99,93.96 15.42,94.52 U1#7.6 15.42,96.44 16.09,97.1 16.09,99.1 15.04,100.16 15.04,101.89 16.06,102.91 20.13,102.91 ; 69.96,94.5 69.96,94.51 v1(69.96,95.61) 70.6,95.61 70.96,95.24 70.96,94.5 ; 110.03,102.91 105.96,102.91 104.94,101.89 104.94,100.16 105.99,99.1 105.99,97.1 105.33,96.44 U1#5.6 105.33,94.52 105.89,93.96 108.74,93.96 109.2,93.5 109.2,92.56 109.96,91.8 113.89,91.8 114.88,92.79 v1(114.91,92.79)
  Bottom w0.178: v1(25.01,92.79) v1(25.01,95.61) ; v1(25.01,52.92) v1(25.01,55.74) ; v1(69.96,13.05) v1(69.96,15.87) ; v1(114.91,13.05) v1(114.91,15.87) ; v1(25.01,13.05) v1(25.01,15.87) ; v1(69.96,52.92) v1(69.96,55.74) ; v1(69.96,92.79) v1(69.96,95.61) ; v1(114.91,52.92) v1(114.91,55.74) ; v1(114.91,92.79) v1(114.91,95.61)
